# Altium PCB ControllerV2.0.PcbDoc (part 2 of 2)
Units mil, origin at the board's own origin, x right, y up, seen from the top; angles counter-clockwise.
Board outline 2047.24 x 1968.5 mil, 4 copper layers (Top, Gnd, Signal, Bottom), stack 58.4 mil thick; 96 components, 87 nets, 385 pads, 175 vias.
Unrouted connection lines stored in the file: 72.
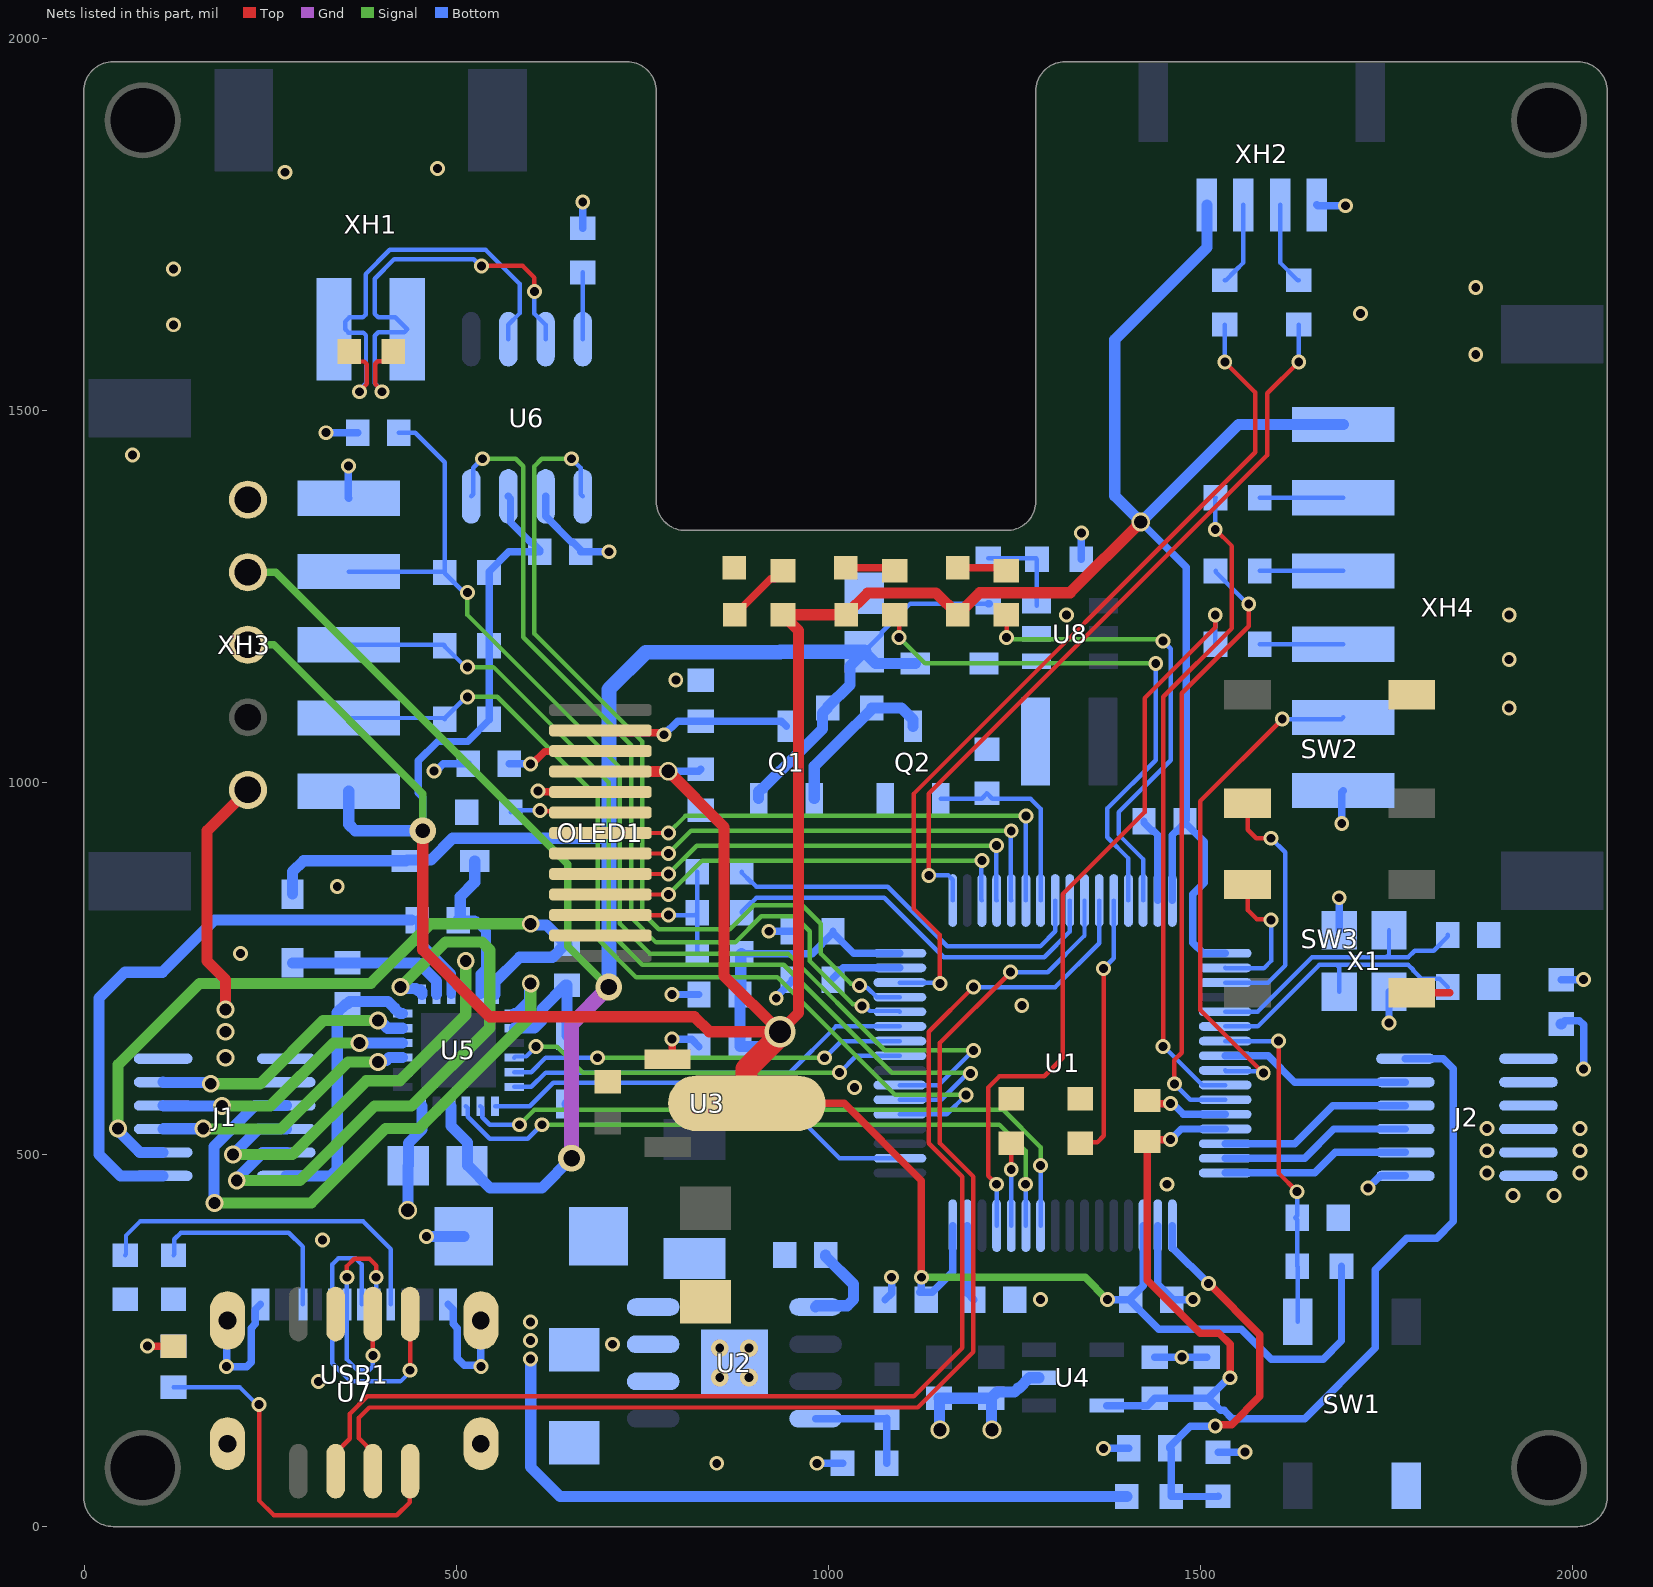
[diagram p4: the nets of this part, all layers, seen from the top]

## Via types
v1: diameter 20, hole 12, Top to Bottom, tented both sides, 135 vias
v2: diameter 24, hole 16, Top to Bottom, tented both sides, 19 vias
v3: diameter 25, hole 18, Top to Bottom, tented both sides, 5 vias
v4: diameter 24, hole 12, Top to Bottom, tented both sides, 4 vias
v5: diameter 27.56, hole 27.56, Top to Bottom, tented both sides, 4 vias
v6: diameter 36, hole 22, Top to Bottom, tented both sides, 2 vias
v7: diameter 42, hole 26, Top to Bottom, tented both sides, 1 vias
v8: diameter 46, hole 26, Top to Bottom, tented both sides, 1 vias
v9: diameter 30, hole 20, Top to Bottom, tented both sides, 1 vias
v10: diameter 36, hole 20, Top to Bottom, tented both sides, 1 vias
v11: diameter 42, hole 30, Top to Bottom, tented both sides, 1 vias
v12: diameter 42, hole 22, Top to Bottom, tented both sides, 1 vias

## Nets (pads, with @x,y where several pads share a name; then routed paths per layer and width w, separated by ;. In a path a pad name is that pad's centre, name@x,y a point inside that pad or via, vN(x,y) a via of type N, cw(c..) or ccw(c..) an arc to the next point about the centre after c; other vN are vias at no path point) (continued)
AGND: C7.2 C8.2 C10.2 C11.2 C14.2 C24.2 J2.1 J2.9 J2.10 J2.11 J2.12 R7.1 R10.2 U1.12 U4.2 | length 636.4
  Top w10: C24.2@1428.74,572.56 1432.83,568.47 v1@1464.66,568.47
  Bottom w10: v1(1370,105) 1403.34,105 C14.2@1403.68,105.34 ; C10.2@1438.74,227.56 v1(1475,227.56) C11.2@1508.74,227.56 ; v1@1464.62,568.47 1464.62,566.56 1477.24,553.94 U1.12@1533.23,553.94 ; R7.1@1523.74,100 v1(1560,100) ; v1(1725,455) 1739.51,469.51 1740.3,469.51 1742.05,471.26 J2.1@1775.55,471.26 ; R10.2@1985,675.34 1989.66,680 2009.14,680 2015,674.14 v1(2015,615)
  Bottom w15: v3(1150,130) 1149.37,130.63 1149.37,171.81 C7.2@1148.74,172.44 C8.2@1218.74,172.44 ; v3(1220,130) 1219.37,130.63 1219.37,171.81 C8.2@1218.74,172.44 ; U4.2@1283.32,200 1270.19,200 1255.94,185.75 1254.95,185.75 1249.9,180.69 1226.99,180.69 C8.2@1218.74,172.44 ; R10.2@1985,675.34 R10.2@1985.17,675.17
  other v1: 1920,445 1975,445 1885,475 2010,475 1885,505 2010,505 1885,535 2010,535 1460,568.47
AH: U1.41 U5.22 | length 548
  Signal w6: v1(607.14,645) 635,645 670,610 v1(1015,610)
  Bottom w6: U5.22@578.05,630.26 579.49,631.7 594.18,631.7 v1@607.14,644.66 ; v1(1015,610) 1037.68,632.68 U1.41@1096.22,632.68
AL: U1.34 U5.1 | length 599.2
  Bottom w6: U5.1@552.16,565 598.79,565 630.25,596.46 913.54,596.46 1015,495 1096.1,495 U1.34@1096.22,494.88
AVCC: C10.1 C11.1 C24.1 J2.6 U1.13 U4.5 | length 1457
  Top w10: C24.1@1428.74,517.44 1428.74,331.26 1500,260 1525,260 1540,245 v1(1540,200) ; C24.1@1428.74,520 v1(1460,520)
  Bottom w10: U4.5@1374.16,162.6 1428.9,162.6 C10.1@1438.74,172.44 C11.1@1510.71,172.44 ; v1(1460,520) 1474.25,534.25 U1.13@1533.23,534.25 ; v1(1540,200) 1538.27,200 C11.1@1510.71,172.44 ; J2.6@1775.55,628.74 1826.26,628.74 1840,615 1840,410 1817.5,387.5 1777.5,387.5 1735,345 1735,240 1640,145 1543.05,145 1532.05,156 1527.15,156 C11.1@1510.71,172.44
BH: U1.42 U5.23 | length 535.5
  Signal w6: v1(690,630) v1(995,630)
  Bottom w6: U5.23@578.05,610.57 600.57,610.57 620,630 v1(690,630) ; v1(995,630) 1017.36,652.36 U1.42@1096.22,652.36
BL: U1.26 U5.2 | length 904.9
  Signal w6: v1(585,540) 605,560 1235,560 1285.2,509.8 v1(1285.2,485)
  Bottom w6: U5.2@532.48,565 534.99,562.49 534.99,550.01 545,540 v1(585,540) ; U1.26@1285.2,404.33 v1(1285.2,485)
BOOT0: R5.1 U1.60 | length 357.2
  Top w6: R5.1@1338.74,515.34 1339.63,516.23 1361.23,516.23 1370,525 v1(1370,750)
  Bottom w6: v1(1370,750) 1383.62,763.62 U1.60@1383.62,841.34
BOOT1: R2.1 U1.28 | length 111
  Top w6: v1(1245.83,480) R2.1@1245.83,515.34
  Bottom w6: U1.28@1245.83,404.33 v1(1245.83,480)
CAN1_RX: U1.44 U6.4 | length 1248.7
  Signal w6: v1(535,1435) 580,1435 590,1425 590,1195 735,1050 735,818.51 768.51,785 875,785 910,820 955,820 975,800 975,760 1032.86,702.14 1042.47,702.14 v1(1045.1,699.5)
  Bottom w6: U6.4@520,1384.39 522.98,1387.37 522.98,1422.98 v1(535,1435) ; v1(1045.1,699.5) 1048.89,699.5 1055.55,692.84 1095.11,692.84 U1.44@1096.22,691.73
CAN1_TX: U1.45 U6.1 | length 1214.4
  Signal w6: v1(655,1435) 615,1435 605,1425 605,1200 750.01,1054.99 750.01,1050.01 750,825 772.19,802.81 867.81,802.81 900,835 965,835 990,810 990,770 1030.43,729.57 1039.22,729.57 v1(1041.89,726.89)
  Bottom w6: v1(655,1435) 667.02,1422.98 667.02,1387.37 U6.1@670,1384.39 ; v1(1041.89,726.89) 1044.57,724.22 1052.5,724.22 1065.3,711.42 U1.45@1096.22,711.42
CAN_H: R11.2 U6.7 XH1.2 | length 622
  Top w6: v1(400,1525) 400,1526.54 391.03,1535.51 391.03,1562.66 394.54,1566.18 402.41,1566.18 R11.2@415.28,1579.05 ; v1(534.07,1694.06) 589.29,1694.06 605,1678.36 605,1675 605.07,1674.94 605.07,1660.06 v1(605,1660)
  Bottom w6: v1(400,1525) 400,1526.78 390.25,1536.53 390.25,1600.25 395,1605 430.31,1605 XH1.2@433.11,1607.8 ; XH1.2@434.21,1608.9 418.11,1625 395,1625 390.38,1629.62 390.38,1676.91 416.39,1702.92 523.55,1702.92 532.41,1694.06 v1(534.07,1694.06) ; v1(605,1660) 605,1630 620,1615 U6.7@620,1595.61
CAN_L: R11.1 U6.6 XH1.1 | length 599.1
  Top w6: R11.1@355.96,1579.05 355.96,1578.56 368.84,1565.68 376.21,1565.68 379.72,1562.17 379.72,1535.51 370,1525.79 v1(370,1525)
  Bottom w6: v1(370,1525) 370,1527.82 378.7,1536.52 378.7,1601.06 375.18,1604.58 355.11,1604.58 350.79,1608.9 350.79,1619.38 356.41,1625 374.59,1625 378.1,1628.51 378.1,1683.1 410.66,1715.66 539.34,1715.66 585,1670 585,1630.22 570,1615.22 U6.6@570,1595.61
CH: U1.43 U5.24 | length 551.8
  Bottom w6: U5.24@578.05,590.89 600.89,590.89 620,610 948.13,610 1010.18,672.05 U1.43@1096.22,672.05
CL: U1.27 U5.3 | length 900.5
  Signal w6: v1(615,540) 1230,540 1265,505 v1(1265,460)
  Bottom w6: U5.3@512.79,565 515.3,562.49 515.3,550.85 545.15,521 596,521 v1(615,540) ; v1(1265,460) 1265.26,459.74 1265.26,404.59 U1.27@1265.51,404.33
D+: U7.1 USB1.6 USB1.8 | length 431.2
  Top w6: v1(437.87,210) U7.1@437.87,285.61
  Bottom w6: USB1.8@333.35,298.51 333.35,219.53 357.87,195 425,195 v1@440,210 ; USB1.8@333.44,298.59 333.44,352.27 341.68,360.51 364.5,360.51 372.72,352.29 USB1.6@372.72,298.51
D-: U7.2 USB1.5 USB1.7 | length 338.3
  Top w6: v1(353.03,335) 353.03,350.16 362.87,360 383.38,360 392.64,350.74 v1@392.64,335.24 ; v1(387.87,230) U7.2@387.87,285.61
  Bottom w6: v1(353.03,335) USB1.7@353.03,298.51 353.03,224.5 367.04,210.49 383.37,210.49 387.87,215 v1(387.87,230) ; USB1.5@392.4,298.51 v1(392.4,335)
DCBUS: C5.1 J1.6 J1.7 J1.8 pad.9 R6.2 U2.7 | length 1290.8
  Top w15: v2(190,695) 190,735 165,760 165,935 pad.9@220,990
  Bottom w15: v1(600,225) 600,80 639.66,40.34 R6.2@1401.28,40.34
  other v1: 710,245 600,250 600,275
  other v2: 190,630 190,665
ENC_A: R17.1 U1.37 XH3.2 | length 1275.7
  Signal w6: v1(515,1115) 555,1115 690,980 690,790 741.61,738.39 931.61,738.39 1090,580 v1(1185,580)
  Bottom w6: XH3.2@355.47,1086.57 483.14,1086.57 R17.1@484.71,1085 484.71,1086.13 513.58,1115 v1(515,1115) ; U1.37@1096.22,553.94 1158.94,553.94 v1(1185,580)
ENC_B: R18.1 U1.38 XH3.3 | length 1301.2
  Signal w6: v1(515,1155) 550,1155 705,1000 705,800 750,755 940,755 1085.07,609.93 1190.07,609.93 v1(1190.94,609.07)
  Bottom w6: XH3.3@355.47,1185 483.45,1185 R18.1@484.71,1183.74 484.71,1182.61 512.32,1155 v1(515,1155) ; U1.38@1096.22,573.62 1151.75,573.62 1187.2,609.07 v1(1190.94,609.07)
ENC_CS: U1.9 XH4.5 | length 691.8
  Top w6: v1(1584.52,609.52) 1500,694.04 1500,975 v1(1610,1085)
  Bottom w6: U1.9@1533.23,612.99 1534.34,611.88 1582.16,611.88 v1(1584.52,609.52) ; v1(1610,1085) 1689.65,1085 XH4.5@1692.01,1087.36
ENC_Z: C29.1 R19.1 U1.39 XH3.4 | length 1592.1
  Signal w6: v1(515,1255) 515,1225 720,1020 720,810 760,770 945.86,770 1075.86,640 v1(1195,640)
  Bottom w6: XH3.4@355.47,1283.43 483.45,1283.43 R19.1@484.71,1282.17 ; C29.1@422.56,1470 445,1470 484.71,1430.29 R19.1@484.71,1282.17 ; v1(515,1255) 512.32,1257.68 508.06,1257.68 484.71,1281.03 R19.1@484.71,1282.17 ; U1.39@1096.22,593.31 1148.31,593.31 v1(1195,640)
GH_A: J1.9 U5.19 | length 821.2
  Signal w15: v2(175,435) 305,435 405,535 450,535 600,685 v2(600,730)
  Bottom w15: v2(175,435) 174.5,435.5 174.5,510.85 229.4,565.75 J1.9@271.42,565.75 ; U5.19@578.05,689.31 581.65,689.31 598.28,705.94 598.28,728.28 v2(600,730)
GH_B: J1.10 U5.16 | length 595.4
  Signal w15: v2(200,500) 280,500 379,599 424,599 512.79,687.79 v2(512.79,760)
  Bottom w13: U5.16@512.79,715.2 v2(512.79,760)
  Bottom w15: v2(200,500) 234.25,534.25 J1.10@271.42,534.25 ; v2@513.47,758.47 v2@515,760
GH_C: J1.11 U5.13 | length 797.8
  Signal w15: v2(205,465) 290,465 390,565 440,565 545,670 545,775 534.5,785.5 485.5,785.5 v2(425,725)
  Bottom w15: v2(205,465) 206.72,466.72 206.72,469.32 240.16,502.76 J1.11@271.42,502.76 ; v2(425,725) 426.72,723.28 445.66,723.28 448.15,720.79 451.75,720.79 453.74,718.8 U5.13@453.74,715.2
GL_A: J1.5 U5.11 | length 362.2
  Signal w15: v2(170,595) 236.25,595 321.25,680 v2(395,680)
  Bottom w15: J1.5@106.06,597.24 106.67,596.63 168.37,596.63 v2(170,595) ; v2(395,680) 397.44,680 407.81,669.63 U5.11@427.85,669.63
GL_B: J1.4 U5.10 | length 357.3
  Signal w15: v2(185,565) 250,565 335,650 v2(370,650)
  Bottom w15: J1.4@106.06,565.75 106.44,565.37 184.63,565.37 v2(185,565) ; v2(370,650) 427.79,650 U5.10@427.85,649.94
GL_C: J1.3 U5.9 | length 362.2
  Signal w15: v2(160,535) 160.75,534.25 264.25,534.25 354.5,624.5 v2(395,624.5)
  Bottom w15: J1.3@106.06,534.25 106.44,534.63 159.63,534.63 v2(160,535) ; v2(395,624.5) 396.72,626.22 405.81,626.22 409.85,630.26 U5.9@427.85,630.26
GND: C2.1 C3.2 C4.2 C5.2 C6.2 C9.2 C12.2 C15.2 C16.2 C18.2 C20.2 C21.2 C22.2 C23.2 C25.2 C26.2 C27.2 C28.2 C29.2 C30.1 C31.2 C32.2 C33.2 D1.2 J2.7 J2.8 LED1.1 OLED1.5 OLED1.12 pad.13 Q2.2 R2.2 R4.1 R5.2 R8.2 R9.1 R10.1 R15.1 R25.1 R26.1 R28.1 SW1.3 SW2.4 SW3.3 U1.18 U1.63 U2.6 U2.9 U3.1 U5.6 U6.2 U7.3 U8.2 USB1.1 USB1.12 USB1.13 USB1.14 X1.2 X1.4 XH2.4 XH3.5 XH4.6 | length 1781
  Top w10: v1@85,240 87.56,242.56 C27.2@120,242.56 ; v1(609.9,988.23) 610.43,987.7 693.21,987.7 OLED1.5@693.74,987.17 ; U3.1@783.74,628.11 790,634.37 v1(790,655) ; SW3.3@1805,731.85 1790.31,717.17 SW3.3@1783.98,717.17 1835,717.17
  Bottom w10: USB1.14@192.6,276.86 191.3,275.56 v1(191.3,215) 218.45,215 224.31,220.86 224.31,266.64 230.08,272.41 230.08,291.69 USB1.12@236.89,298.51 ; v1(325,1470) C29.2@367.44,1470 ; v1(355,1425) 355,1382.32 XH3.5@355.47,1381.85 ; v1(470.15,1015.15) 472.86,1015.15 482.71,1025 C30.1@516.18,1025 ; USB1.1@488.86,298.51 495.67,291.69 495.67,272.4 501.43,266.64 501.43,226.43 510.94,216.91 531.24,216.91 v1(533.15,215) USB1.13@533.15,276.86 ; U6.2@620,1384.39 620,1357.56 654.84,1322.72 656.81,1322.72 667.56,1311.97 C25.2@667.56,1310 v1(705,1310) ; R8.2@670,1744.66 v1(670,1780) ; v1(790,655) 816.18,655 C3.2@826.18,645 ; v1(790,715) C4.2@826.18,715 ; v1(920,800) C20.2@951.18,800 ; v1(930,710) 930,711.85 951.18,733.03 C15.2@951.18,735 ; v1(985,85) R4.1@1019.08,85 ; C23.2@1076.18,304.79 1085,313.61 v1(1085,335) ; R26.1@1339.66,1300 1340,1300.34 v1(1340,1335) ; C21.2@1424.21,947.87 1424.21,945.91 1434.96,935.16 1436.82,935.16 1442.68,929.3 U1.63@1442.68,841.34 ; U1.18@1442.68,404.33 1442.68,325.59 1461.3,306.97 C22.2@1461.3,305 v1(1490,305) ; XH2.4@1656.3,1776.1 1657.4,1775 v1(1695,1775) ; X1.4@1686.54,801.34 v1(1686.54,845) ; v1(1690,945) 1690,986.93 XH4.6@1692.01,988.94 ; v1(1753.46,676.86) X1.2@1753.46,718.66 ; R10.1@1985,734.66 1985.34,735 v1(2015,735)
  Bottom w15: v3(435,425) 435,484.37 C18.2@435.63,485 435.63,515.63 453.74,533.74 U5.6@453.74,565 ; v1(460,390) D1.2@510,390
  other v1: 850,85 315,195 85,242.56 1285,305 320,385 1455,460 1035,590 1260,700 210,770 340,860 1915,1100 795,1137.56 1915,1165 1320,1225 1915,1225 65,1440 1870,1575 120,1615 1715,1630 1870,1665 120,1690 270,1820 475,1825
  other v4: 854.06,200.31 893.43,200.31 854.06,239.68 893.43,239.68
KEY1: SW2.2 U1.3 | length 341.1
  Top w6: SW2.2@1563.5,972.17 1563.5,936.5 1575,925 v1(1595,925)
  Bottom w6: U1.3@1533.23,731.1 1591.1,731.1 1614,754 1614,906 v1(1595,925)
KEY2: SW3.1 U1.2 | length 204.5
  Top w6: SW3.1@1575.32,862.83 SW3.1@1563.5,862.83 1563.5,828.51 1576,816.02 1593.98,816.02 v1(1595,815)
  Bottom w6: U1.2@1533.23,750.79 1534.02,750 1585,750 1595,760 v1(1595,815)
LED_G: R20.2 U1.61 | length 749.6
  Top w6: R20.2@1089.06,1225.34 1095,1219.4 v1(1095,1195)
  Signal w6: v1(1095,1195) 1130,1160 v1(1440,1160)
  Bottom w6: U1.61@1403.31,841.34 1403.31,897.85 1375,926.16 1375,965 1440,1030 v1(1440,1160)
LED_R: R16.2 U1.62 | length 638.5
  Top w6: v1(1239.54,1195) R16.2@1239.54,1224.85
  Top w10: R16.2@1239.06,1225.34 R16.2@1239.54,1224.85
  Signal w6: v1(1239.54,1195) 1242.04,1192.5 1447.5,1192.5 v1(1450,1190)
  Bottom w6: U1.62@1422.99,841.34 1422.99,897.01 1390,930 1390,960 1460,1030 1460,1179.49 1450,1189.49 v1(1450,1190)
NetC1_1: C1.1 U2.1 | length 130.5
  Bottom w15: U2.1@982.89,295 984.54,296.65 1025.39,296.65 1033.74,305 1033.74,325.59 996.3,363.03 C1.1@996.3,365
NetC1_2: C1.2 D1.1 L1.1 U2.8
NetC9_1: C9.1 U1.5 X1.1 | length 380.9
  Bottom w6: U1.5@1533.23,691.73 1533.28,691.78 1576.78,691.78 1650,765 1749.95,765 ; X1.1@1753.46,801.34 1753.46,768.51 1749.95,765 ; C9.1@1832.44,795 1832.44,793.03 1813.41,774 1788.07,774 1779.07,765 1749.95,765
NetC12_1: C12.1 U1.6 X1.3 | length 384.3
  Bottom w6: U1.6@1533.23,672.05 1577.05,672.05 1660,755 1683.02,755 ; X1.3@1686.54,718.66 1686.54,751.49 1683.02,755 ; C12.1@1832.44,725 1821.44,736 1797.13,736 1786,747.13 1786,748.07 1779.07,755 1683.02,755
NetC15_1: C15.1 U1.47 | length 97.6
  Bottom w6: C15.1@1006.3,735 C15.1@1006.3,736.97
  Bottom w10: C15.1@1006.3,736.97 1020.12,750.79 U1.47@1096.22,750.79
NetC16_1: C16.1 U1.31 | length 103
  Bottom w10: U1.31@1186.77,404.33 1186.77,313.8 C16.1@1195.57,305
NetC26_1: C26.1 U7.8 | length 513.8
  Top w6: v1(235,163.94) 235,35 255,15 420,15 437.34,32.34 437.34,73.86 U7.8@437.87,74.39
  Bottom w6: C26.1@120,187.44 208.77,187.44 232.27,163.94 v1(235,163.94)
NetD5_2: D5.2 L2.2 U8.1
NetLED1_2: LED1.2 R1.1 | length 89.5
  Top w10: LED1.2@874.06,1225.5 922.34,1273.78 928.18,1273.78 R1.1@939.06,1284.66
NetLED2_1: LED2.1 R16.1 | length 66.8
  Top w10: LED2.1@1173.86,1288.5 1235.22,1288.5 R16.1@1239.06,1284.66
NetLED3_1: LED3.1 R20.1 | length 67
  Top w10: LED3.1@1023.66,1288.5 1085.22,1288.5 R20.1@1089.06,1284.66
NetOLED1_6: OLED1.6 R25.2 | length 122.4
  Top w6: v1(612.35,962.35) 613.72,960.98 692.37,960.98 OLED1.6@693.74,959.61
  Bottom w6: R25.2@573.4,960 575.75,962.35 v1(612.35,962.35)
NetQ1_1: Q1.1 Q2.3 R27.2 | length 224.8
  Bottom w15: Q1.1@981.14,978.26 981.14,1021.82 1015.48,1056.16 1015.69,1056.16 1058.4,1098.87 R27.2@1058.4,1100 1098.5,1100 1113.74,1084.76 Q2.3@1113.74,1075.51
NetR3_1: R3.1 R4.2 U2.4 | length 156.5
  Bottom w6: R4.2@1078.4,85 R4.2@1078.74,85.34 ; R3.1@1078.4,145 R3.1@1078.74,145.34
  Bottom w10: U2.4@982.89,145 R3.1@1078.4,145 ; R4.2@1078.74,85.34 R3.1@1078.74,145.34
NetR8_1: R8.1 U6.8 | length 89.7
  Bottom w6: U6.8@670,1595.61 R8.1@670,1685.34
NetR9_2: R9.2 USB1.10 | length 283.8
  Bottom w6: R9.2@120,364.66 121.02,365.68 121.02,386.02 130,395 275,395 293.97,376.03 USB1.10@293.97,298.51
NetR13_2: R13.2 XH2.2 | length 112.5
  Bottom w6: R13.2@1532.8,1674.66 1533.94,1674.66 1546.81,1687.54 1557.87,1698.6 XH2.2@1557.87,1776.1
NetR14_2: R14.2 XH2.3 | length 112.5
  Bottom w6: XH2.3@1607.09,1776.1 1607.09,1698.6 1631.02,1674.66 R14.2@1632.16,1674.66
NetR15_2: R15.2 USB1.4 | length 480.5
  Bottom w6: R15.2@55,364.66 56.13,365.79 56.13,391.13 75,410 375,410 412.08,372.92 USB1.4@412.08,298.51
NetR21_2: R21.2 XH4.2 | length 112.3
  Bottom w6: R21.2@1579.66,1382.64 XH4.2@1692.01,1382.64
NetR22_2: R22.2 XH4.3 | length 112.3
  Bottom w6: R22.2@1579.66,1284.21 XH4.3@1692.01,1284.21
NetR23_2: R23.2 XH4.4 | length 112.3
  Bottom w6: R23.2@1579.66,1185.79 XH4.4@1692.01,1185.79
NetR24_1: R24.1 R26.2 U8.3 | length 128.6
  Bottom w6: R24.1@1215,1301.14 1279.2,1301.14 R26.2@1280.34,1300 1280.34,1237.82 U8.3@1279.92,1237.4
NRST: C28.1 R12.1 SW1.1 U1.7 | length 461.7
  Top w6: v1(1605,652.36) 1605,475 v1(1630,450)
  Bottom w6: U1.7@1533.23,652.36 v1(1605,652.36) ; v1(1630,450) 1630,417.56 1627.44,415 1630.34,412.1 R12.1@1630.34,350 1630.91,349.43 SW1.1@1630.91,275.24
OLED_BLK: Q2.1 R28.2 U1.55 | length 269
  Bottom w6: Q2.1@1151.14,978.26 1206.03,978.26 R28.2@1213.11,985.34 1220.19,978.26 1271.74,978.26 1285.2,964.8 U1.55@1285.2,841.34
OLED_CS: OLED1.7 U1.54 | length 694.6
  Top w6: OLED1.7@693.74,932.05 v1(785,932.05)
  Signal w6: v1(785,932.05) 807.95,955 v1@1265,955
  Bottom w6: v1@1265,955 1265.26,954.74 1265.26,841.59 U1.54@1265.51,841.34
  other v1: 1265.51,955
OLED_DC: OLED1.9 U1.52 | length 621.2
  Top w6: OLED1.9@693.74,876.93 v1(785,876.93)
  Signal w6: v1(785,876.93) 823.07,915 v1@1225,915
  Bottom w6: v1@1225,915 1225.57,914.43 1225.57,841.91 U1.52@1226.14,841.34
  other v1: 1226.14,915
OLED_RES: OLED1.8 U1.53 | length 657.9
  Top w6: OLED1.8@693.74,904.49 v1(785,904.49)
  Signal w6: v1(785,904.49) 815.51,935 v1@1245,935
  Bottom w6: v1@1245,935 1245.41,934.59 1245.41,841.75 U1.53@1245.83,841.34
  other v1: 1245.83,935
SDA: OLED1.11 R29.1 R30.2 R31.2 | length 241.7
  Top w6: OLED1.11@693.74,821.81 v1(785,821.81)
  Bottom w6: v1(785,821.81) 820.89,821.81 R31.2@824.08,825 ; R29.1@824.08,770 R31.2@824.08,825 ; R30.2@824.08,880 R31.2@824.08,825
SH_A: C13.1 J1.2 U5.18 | length 986.7
  Signal w15: v2(45.5,535) 45.5,620.5 155,730 385,730 465,810 v2(600,810)
  Bottom w15: v2(45.5,535) 47.22,533.28 47.22,530.34 74.8,502.76 J1.2@106.06,502.76 ; U5.18@552.16,715.2 552.16,732.16 585,765 629.21,765 C13.1@646.77,782.56 ; v2(600,810) 601.72,808.28 621.05,808.28 C13.1@646.77,782.56 ; C13.1@648.74,782.56 C13.1@646.77,782.56
SH_B: C17.1 J1.1 U5.15 | length 890.2
  Bottom w13: C17.1@447.44,815 450.82,811.62 450.82,785.4 493.11,743.1 U5.15@493.11,715.2
  Bottom w15: J1.1@106.06,471.26 48.74,471.26 20,500 20,710 55,745 105,745 175,815 C17.1@439.98,815
SH_C: C19.1 J1.12 U5.12 | length 383.8
  Bottom w15: J1.12@271.42,471.26 331.21,471.26 340,480.05 340,690.67 351.77,702.44 C19.1@353.74,702.44 356.8,705.5 408.44,705.5 417.22,696.71 417.22,696.33 424.25,689.31 U5.12@427.85,689.31
SO_A: J2.2 U1.16 | length 253.7
  Bottom w10: U1.16@1533.23,475.2 1653.94,475.2 1681.5,502.76 J2.2@1775.55,502.76
SO_B: J2.3 U1.15 | length 258.6
  Bottom w10: U1.15@1533.23,494.88 1640.12,494.88 1679.49,534.25 J2.3@1775.55,534.25
SO_C: J2.4 U1.14 | length 263.5
  Bottom w10: U1.14@1533.23,514.57 1626.69,514.57 1677.88,565.75 J2.4@1775.55,565.75
SPI2_MISO: R21.1 U1.10 | length 889.9
  Top w6: v1(1450,645) 1450,1115 1542.35,1207.35 1542.35,1317.65 v1(1520,1340)
  Bottom w6: v1(1450,645) 1450.61,645 1502.31,593.31 U1.10@1533.23,593.31 ; v1(1520,1340) 1520,1382.3 R21.1@1520.34,1382.64
SPI2_MOSI: R22.1 U1.11 | length 827.1
  Top w6: v1(1465,595) 1465,626.89 1475,636.89 1475,1120 1565,1210 v1(1565,1240)
  Bottom w6: v1(1465,595) 1486.38,573.62 U1.11@1533.23,573.62 ; R22.1@1520.34,1284.21 1520.34,1283.08 1563.42,1240 v1(1565,1240)
SPI2_SCK: R23.1 U1.29 | length 1026.1
  Top w6: v1(1226.14,460) 1215,471.14 1215,590 1230,605 1290,605 1315,630 1315,850 1425,960 1425,1113.13 1520,1208.13 v1(1520,1225)
  Bottom w6: U1.29@1226.14,404.33 v1(1226.14,460) ; v1(1520,1225) 1520,1186.13 R23.1@1520.34,1185.79
SPI3_MISO: R30.1 U1.56 | length 513.3
  Bottom w6: R30.1@883.4,880 883.4,878.87 896.28,865.99 897.41,865.99 903.4,860 1080,860 1160,780 1285,780 1304.88,799.88 U1.56@1304.88,841.34
SPI3_MOSI: R31.1 U1.57 | length 539.3
  Bottom w6: R31.1@883.4,825 883.4,826.13 896.28,839.01 897.41,839.01 903.4,845 1075,845 1155,765 1290,765 1324.57,799.57 U1.57@1324.57,841.34
SPI3_SCK: OLED1.10 U1.51 | length 584.4
  Top w6: OLED1.10@693.74,849.37 v1(785,849.37)
  Signal w6: v1(785,849.37) 830.63,895 v1@1205,895
  Bottom w6: v1@1205,895 1205.73,894.27 1205.73,842.07 U1.51@1206.46,841.34
  other v1: 1206.46,895
SWC: R14.1 U1.49 | length 1008.7
  Top w6: v1(1135,875) 1135,985 1590,1440 1590,1522.84 v1(1632.16,1565)
  Bottom w6: v1(1135,875) 1161.38,875 1167.09,869.29 U1.49@1167.09,841.34 ; v1(1632.16,1565) R14.1@1632.16,1615.34
SWD: R13.1 U1.46 | length 1161
  Top w6: v1(1150,730) 1150,795 1115,830 1115,985 1573.74,1443.74 1573.74,1524.06 v1(1532.8,1565)
  Bottom w6: U1.46@1096.22,731.1 1096.77,730.55 1149.45,730.55 v1(1150,730) ; v1(1532.8,1565) R13.1@1532.8,1615.34
TEMP_S: J2.5 U1.8 | length 257
  Bottom w10: U1.8@1533.23,632.68 1591.06,632.68 1626.5,597.24 J2.5@1775.55,597.24
USART1_RX: U1.59 U7.6 | length 1724
  Top w6: U7.6@337.87,74.39 337.87,98.97 356.75,117.84 356.75,151.31 380.44,175 1115,175 1180,240 1180,470 1135,515 1135,665 v1(1195,725)
  Bottom w6: v1(1195,725) 1305,725 1363.94,783.94 U1.59@1363.94,841.34
USART1_TX: U1.58 U7.7 | length 1676.9
  Top w6: U7.7@387.87,74.39 387.87,100 369.19,118.68 369.19,146.32 382.87,160 1120,160 1195,235 1195,470 1150,515 1150,650 v1(1245,745)
  Bottom w6: v1(1245,745) 1295,745 1344.25,794.25 U1.58@1344.25,841.34
VB_A: C13.2 D2.1 U5.20 | length 171.2
  Bottom w15: U5.20@578.05,669.63 578.72,670.3 605.3,670.3 615,680 615,695.67 646.77,727.44 C13.2@648.74,727.44 D2.1@648.74,660.1
VB_B: C17.2 D3.1 U5.17 | length 220.2
  Bottom w13: C17.2@502.56,815 525,815 540,800 540,750 532.48,742.48 U5.17@532.48,715.2
  Bottom w15: C17.2@502.56,815 505.39,817.83 505.39,846.43 524.85,865.89 524.85,894.32 D3.1@524.91,894.37
VB_C: C19.2 D4.1 U5.14 | length 221.5
  Bottom w15: D4.1@280,757.56 449.07,757.56 473.42,733.21 U5.14@473.42,715.2
VBUS_S: C14.1 R6.1 R7.2 U1.17 | length 558.7
  Top w10: v1(1511,326.82) 1580,257.82 1580,175 1541.91,136.91 1521.91,136.91 v1(1520,135)
  Bottom w10: U1.17@1462.36,404.33 1462.36,374.8 1510.35,326.82 v1(1511,326.82) ; v1(1520,135) 1486.49,135 1458.8,107.31 C14.1@1458.8,105.34 1460.6,103.55 R6.1@1460.6,40.34 1523.4,40.34 R7.2@1523.74,40.68
VCC: C3.1 C4.1 C20.1 C21.1 C22.1 C23.1 C25.1 C33.1 LED2.2 LED3.2 OLED1.4 pad.11 R1.2 R12.2 R17.2 R18.2 R19.2 R29.2 U1.1 U1.19 U1.32 U1.48 U1.64 U3.2 U6.3 XH2.1 XH3.1 XH4.1 | length 6965.4
  Top w10: U3.2@890,568.19 U3.2@890.53,568.72 U3.2@973.57,568.72 ; U3.2@976.28,568.72 U3.2@973.57,568.72 ; v1(1125,335) 1125,465 1021.28,568.72 U3.2@973.57,568.72
  Top w15: v10(455,935) 455,775 545,685 820,685 840,665 v11(935,665) ; OLED1.4@693.74,1014.72 v3@784.72,1014.72 ; v3(785,1015) 860,940 860,740 v11(935,665) ; v3(1420,1350) 1325,1255 1203.56,1255 LED2.2@1174.06,1225.5 1144.84,1254.72 1053.07,1254.72 LED3.2@1023.86,1225.5 1023.78,1225.42 939.14,1225.42 R1.2@939.06,1225.34 940.19,1225.34 948.56,1216.96 948.56,1215.83 960,1204.4 960,690 v11(935,665)
  Top w20: U3.2@890,569.25 U3.2@890.53,568.72
  Top w30: U3.2@890,569.25 890,615 v11@933.17,658.17
  Signal w10: pad.11@220,1185 255,1185 455,985 v10(455,935) ; v1(1125,335) 1345,335 v1(1375,305)
  Bottom w10: v10(455,935) 455,979.96 449.15,985.81 449.15,1029.15 475,1055 515.16,1055 544.03,1083.87 R17.2@544.03,1085 R18.2@544.03,1183.74 R19.2@544.03,1282.17 544.03,1283.3 570.73,1310 C25.1@612.44,1310 612.44,1311.97 601.69,1322.72 599.72,1322.72 572.83,1349.61 572.83,1381.56 U6.3@570,1384.39 ; v3(785,1015) 826.18,1015 C33.1@828.74,1017.56 ; R29.2@883.4,770 978.27,770 C20.1@1006.3,798.03 ; C20.1@1006.3,800 C20.1@1006.3,798.03 ; U1.48@1096.22,770.47 1033.86,770.47 C20.1@1006.3,798.03 ; v1(1125,335) 1125,316.94 1123.06,315 1139.54,315 1167.09,342.54 U1.32@1167.09,404.33 ; v1(1375,305) C22.1@1406.18,305 1406.18,303.03 1444.21,265 1555,265 1595,225 1665,225 1689.66,249.66 R12.2@1689.66,350 ; C22.1@1406.18,306.97 1422.99,323.78 U1.19@1422.99,404.33 ; v3(1420,1350) 1481,1289 1481,949.54 C21.1@1479.33,947.87 ; U1.64@1462.36,841.34 1462.36,929.3 1468.22,935.16 1468.58,935.16 1479.33,945.91 1505,920.24 1505,865 1490,850 1490,784.66 1504.19,770.47 U1.1@1533.23,770.47
  Bottom w15: XH3.1@355.47,988.15 355.47,943.79 364.26,935 v10(455,935) ; R29.2@883.4,770 882.35,768.95 882.35,716.05 C4.1@881.3,715 C3.1@881.3,645 913.74,645 933.74,665 v11(935,665) ; XH2.1@1508.66,1776.1 1508.66,1718.66 1385,1595 1385,1385 v3(1420,1350) 1551.06,1481.06 XH4.1@1692.01,1481.06
VCC_10V: C18.1 C31.1 D2.2 D3.2 D4.2 D5.1 pad.12 Q1.2 R24.2 R27.1 U5.4 | length 3135.4
  Gnd w20: v6(655,495) 655,675 v6(705,725)
  Signal w10: pad.12@220,1282.5 257.5,1282.5 650,890 650,780 v6(705,725)
  Bottom w6: C31.1@1048.11,1175.63 1071.69,1199.2 1071.69,1201.69 1110.34,1240.34 R24.2@1215,1240.34
  Bottom w10: R24.2@1215,1240.34 R24.2@1216.13,1240.34
  Bottom w15: D4.2@280,849.89 280,880 294.68,894.68 432.27,894.68 D3.2@432.58,894.37 434.18,895.97 465.97,895.97 495,925 705,925 ; U5.4@493.11,565 493.11,538.11 515,516.22 515,485 515.55,485 545.55,455 615,455 v6(655,495) 655,561.51 D2.2@648.74,567.77 ; Q1.2@906.34,978.26 906.34,987.51 910.65,991.82 911.82,991.82 960.94,1040.94 961.14,1040.94 992.29,1072.09 992.29,1093.21 R27.1@999.08,1100 999.08,1101.13 1029.04,1131.09 1029.04,1156.55 C31.1@1048.11,1175.63 1063.74,1160 D5.1@1116.95,1160
  Bottom w20: v6(655,495) v6@655,499.33 ; v6(705,725) 705,925 705,1125 755,1175 935,1175 935.63,1175.63 C31.1@1048.11,1175.63
VCOMH: C30.2 OLED1.3 | length 128.8
  Top w10: v1(600,1025) 602.16,1025 618.75,1041.59 693.05,1041.59 OLED1.3@693.15,1041.69
  Bottom w10: C30.2@571.3,1025 v1(600,1025)
VPP: C32.1 OLED1.2 Q1.3 | length 262.9
  Top w10: OLED1.2@693.74,1069.84 696.61,1066.97 773.46,1066.97 776.36,1064.07 v1(779.07,1064.07)
  Bottom w10: v1(779.07,1064.07) 797.44,1082.44 936.93,1082.44 943.74,1075.63 Q1.3@943.74,1075.51
pads on no net: OLED1.1 OLED1.13 SW1.2 SW1.4 SW2.1 SW2.3 SW3.2 SW3.4 U1.4 U1.20 U1.21 U1.22 U1.23 U1.24 U1.25 U1.30 U1.33 U1.35 U1.36 U1.40 U1.50 U2.2 U2.3 U2.5 U4.4 U5.5 U5.7 U5.8 U5.21 U5.25 U6.5 U7.4 U8.6 USB1.3 USB1.9 XH1.0 XH2.5 XH2.6 XH3.0 XH4.0
copper on no net:
  other v5: 139.53,435.83 1809.02,435.83 139.53,664.17 1809.02,664.17

## Polygon pours and split planes (outlines as drawn)
GND on Bottom "GND_L04_P035" (solid, remove dead copper, pour order 35): -95,2050 -95,-90 2155,-90 2145,-80 2145,2035
DCBUS on Bottom "Bottom-DCBUS" (solid, remove dead copper, pour order 14): 200,580 315,580 315,710 45,710 45,615 200,615
DCBUS on Bottom "DCBUS_L04_P030" (solid, remove dead copper, pour order 30): 585,290 695,290 725,260 815,260 815,220 720,220 700,200 585,200
5V on Bottom "5V_L04_P025" (solid, remove dead copper, pour order 25): 725,440 880,440 880,560 725,560
NetC1_2 on Bottom "NETC1_2_L04_P024" (solid, remove dead copper, pour order 24): 650,430 650,305 705,305 730,280 920,280 965,325 965,395 775,395 740,430
5V on Bottom "5V_L04_P000" (solid, remove dead copper, pour order 0): 1340,1260 1340,1180 1395,1180 1395,1125 1340,1125 1340,995 1390,995 1390,1030 1420,1030 1420,1260
NetD5_2 on Bottom "NETD5_2_L04_P006" (solid, remove dead copper, pour order 6): 1185,1180 1185,1140 1255,1140 1255,995 1300,995 1300,1180
AGND on Bottom "AGND_L04_P021" (solid, remove dead copper, pour order 21): 1865,580 1865,430 2065,430 2065,580
GND on Top "GND_L01_P036" (solid, remove dead copper, pour order 36): -95,2050 -95,-80 -75,-100 2150,-100 2150,2040
DCBUS on Top "Top-DCBUS" (solid, remove dead copper, pour order 29): 535,370 585,320 585,200 720,200 720,320 625,415 625,520 438.74,520 248.74,710 45,710 45,615 208.74,615 378.74,445 535,445
5V on Top "5V_L01_P027" (solid, remove dead copper, pour order 27): 725,523.13 725,455 770,455 800,425 800,398.76 799.76,398.52 799.84,398.44 869.07,398.44 869.07,455.93 869.07,523.13
GND on Gnd "GND_L02_P013" (solid, remove dead copper, pour order 13): -95,2045 -95,-95 2150,-95 2150,2040
AGND on Gnd "AGND_L02_P011" (solid, remove dead copper, pour order 11): 1110,-25 1110,200 1255,345 1350,345 1420,415 1420,600 1450,630 2085,630 2085,-25

## Other copper
Gnd:
  pour cut-out: 1655.98,830 1655.98,690 1780,690 1780,830
Bottom:
  pour cut-out: 1658.62,830 1658.62,690 1782.65,690 1782.65,830

## Silkscreen, mask and mechanical layers (free items; w line width, h text height)
Top Overlay:
  drawing of 22 lines, arcs and shapes, not listed
  text "CL" at 269.75,1905.87 h45
  text "CH" at 448.46,1905.87 h45
  text "3V3" at 1379.57,1905.92 h45
  text "SWD" at 1478.52,1905.54 h45
  text "SWC" at 1608.56,1905.54 h45
  text "G" at 1735.28,1905.54 h45
  text "CAN" at 312.07,1760.96 h80
  text "SWD" at 1503.3,1760.96 h80
  text "CAN RES" at 296.45,1485.54 h45
  text "3V3" at 1939.41,1462.11 h60
  text "G" at 265.13,1365.54 h45
  text "MI" at 1978.26,1364.79 h60
  text "G" at 18,1362.65 h60
  text "10V" at 265.13,1265.54 h45
  text "MO" at 1950.12,1266.03 h60
  text "Z" at 18,1264.52 h60
  text "XJRC" at 1359.33,1247.17 h180
  text "3V3" at 265.13,1170.54 h45
  text "SCK" at 1919.32,1167.26 h60
  text "B" at 18,1166.39 h60
  text "5V" at 265.13,1070.54 h45
  text "A" at 18,1068.27 h60
  text "CS" at 1961.27,1068.5 h60
  text "VBUS" at 265.13,975.54 h45
  text "G" at 1994.68,969.73 h60
  text "3V3" at 18,969.2 h60
  text "ABZ" at 37.15,860 h80
  text "SPI" at 1900.91,855.96 h80
  text "0.78 OLED 128*80" at 1010.67,720.72 h60
  text "BT1" at 1212.59,614.53 h45
  text "BT0" at 1303.21,615.07 h45
  text "USART" at 240.08,350.96 h80
  text "BLAZER FOC" at 1110.97,341.8 h150
  text "V2.0" at 1813.15,230.96 h80
  text "Control" at 1335.3,216.33 h120
  text "RST" at 1466.81,35.96 h80
Bottom Overlay:
  text "JLCJLCJLCJLC" at 1925.54,1385.61 h45 r270
  text "0Ω" at 2010.48,775.07 h45
  text "8M" at 1649.24,740.72 h60
Mechanical 1:
  lines w10: 768.74,1377.95 ccw(c808.11,1377.95) 808.11,1338.58 ; 768.74,1378.23 768.74,1929.13 ccw(c729.37,1929.13) 729.37,1968.5 38.74,1968.5 ccw(c38.74,1929.13) -0.63,1929.13 -0.63,39.37 ccw(c38.74,39.37) 38.74,0 2007.24,0 ccw(c2007.24,39.37) 2046.61,39.37 2046.61,1929.13 ccw(c2007.24,1929.13) 2007.24,1968.5 1318.27,1968.5 ccw(c1318.27,1929.13) 1278.9,1929.13 ; 808.23,1338.58 1239.53,1338.58 ccw(c1239.53,1377.95) 1278.9,1377.95 ; 1278.9,1377.05 1278.9,1930.63